# Altium PCB MainBoard.PcbDoc (part 2 of 2)
Units mil, origin at the board's own origin, x right, y up, seen from the top; angles counter-clockwise.
Board outline 2362.21 x 3044 mil, 4 copper layers (Top Layer, Mid-Layer 1, Mid-Layer 2, Bottom Layer), stack 62.204 mil thick; 73 components, 52 nets, 249 pads, 130 vias.
Unrouted connection lines stored in the file: 22.
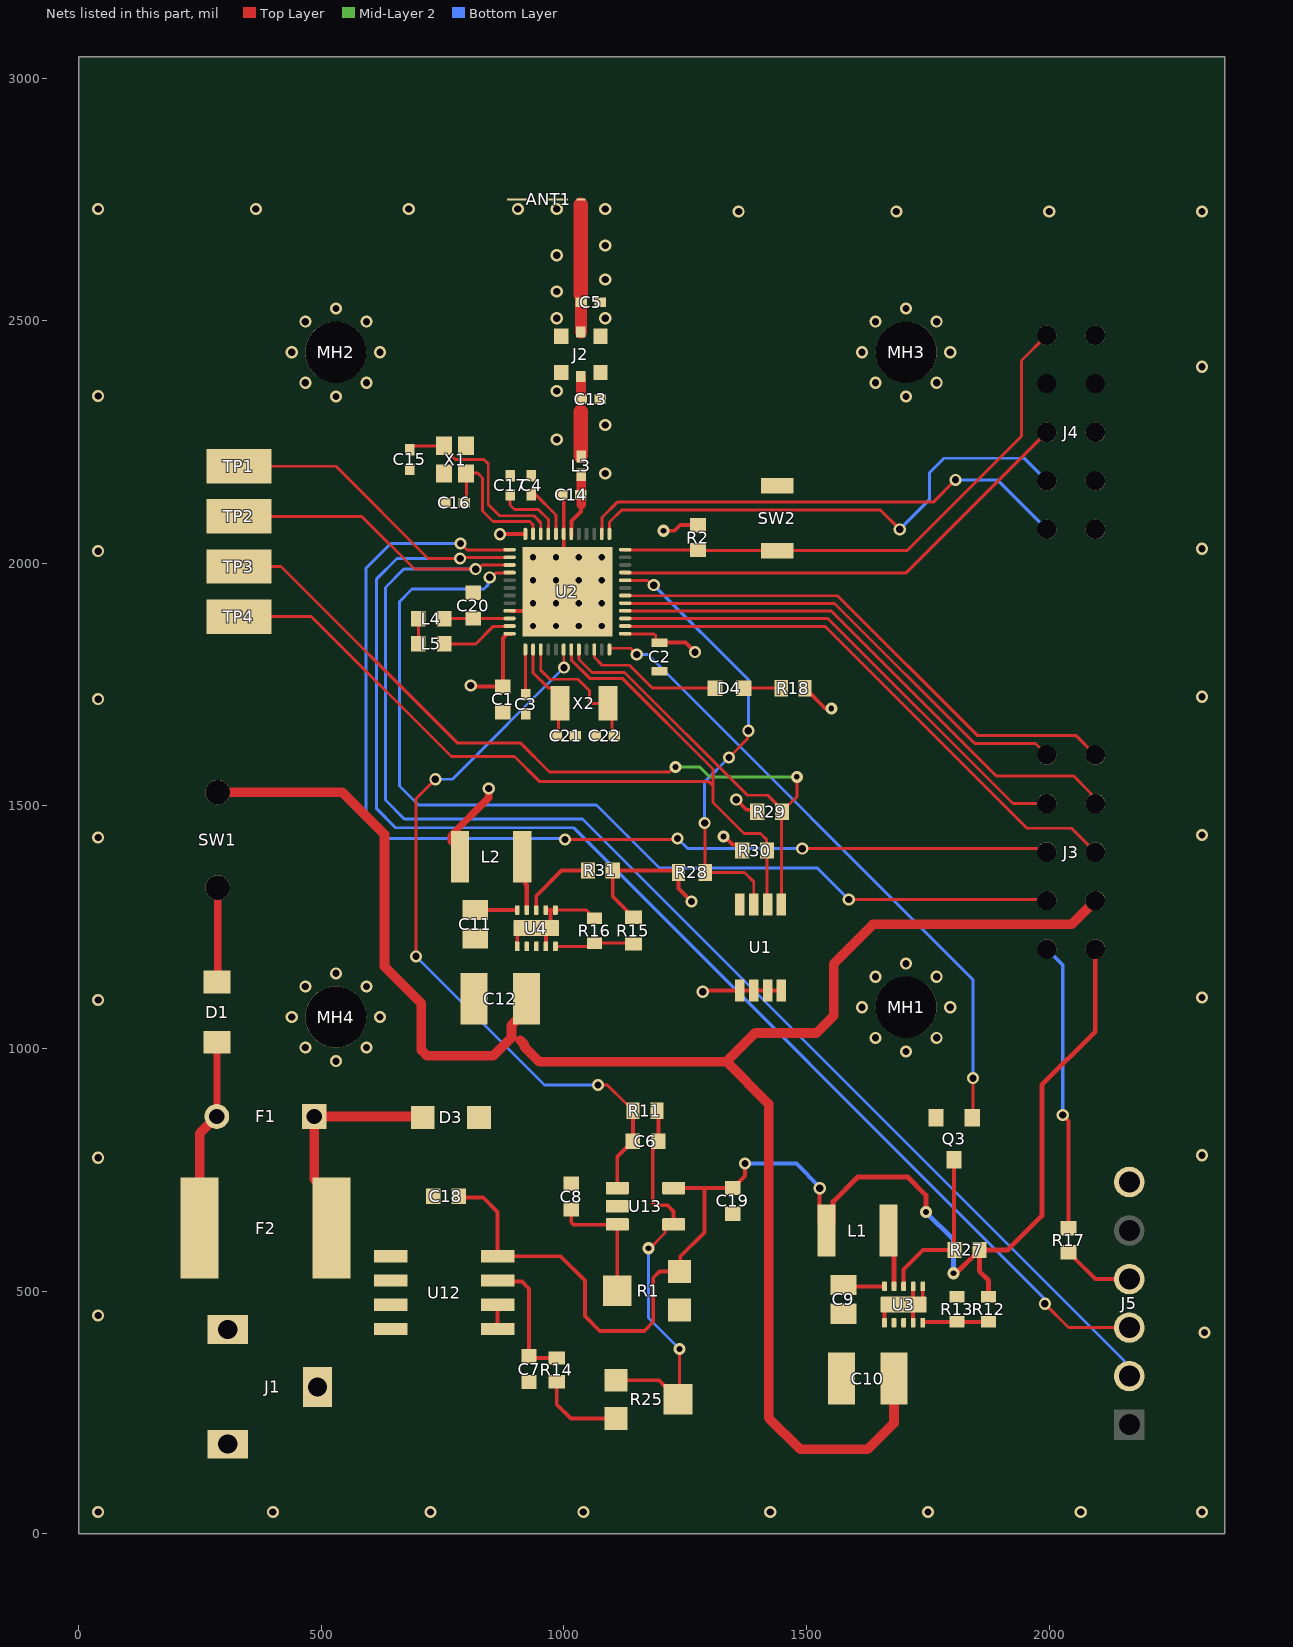
[diagram p4: the nets of this part, all layers, seen from the top]

## Part data (continued)
J3: "CONN HEADER VERT 10POS 2.54MM", Color=Black, Manufacturer="On-Shore Technology", Supplier Part Number 1=ED1543-ND, ComponentLink1Description=https://datasheet.ciiva.com/732/302-sxxx-732946.pdf?src-supplier=Digi-Key, ComponentLink1URL=https://datasheet.ciiva.com/732/302-sxxx-732946.pdf?src-supplier=Digi-Key, Connector Type="Male Pin", Contact Plating=Gold, Manufacturer Part Number=302-S101, Mount="Through Hole", Number of Positions=10, Number of Rows=2, Packaging=Tray, Pitch=0.1inch, Pricing 1="1=0.28000, 10=0.26300, 100=0.18380, 500=0.15750, 1000=0.13125, 5000=0.11250, 10000=0.10500 (USD)", RoHS=Yes, Row Spacing=0.1inch, Stock 1=44685, Supplier 1=Digi-Key, Termination=Solder
J4: library part "JTAG Header", Supplier part number=ED1543-ND
J5: library part CMP-1502-01070-1, "THT Vertical Pin Header WR-PHD, Pitch 2.54 mm, Single Row, 6 pins", Contact Resistance=20mOhm, Manufacturer="Wurth Elektronik", Operating Temperature=-40to105degC, Rated Current=3A, Withstanding Voltage=500VAC, Working Voltage=250VAC, Datasheet URL=https://katalog.we-online.de/em/datasheet/6130xx11121.pdf, Gender=Male, Manufacturer URL=http://www.we-online.de, Mounting Technology=THT, Orientation=Vertical, Package Reference=61300611121, Packaging=Bag, Part Number=61300611121, Pin Number=6, Pitch=2.54mm, Publisher=WurthElektronik, Row Number=Single
L1 L2: "TAIYO YUDEN - CBC3225T100MR - INDUCTOR, 10UH, 20%, 1210 CASE", Case/Package=1210, Case Code (Metric)=3225, Current Rating=900mA, DC Resistance (DCR)=172.9mR, Inductance=10uH, Inductance Tolerance=20%, Manufacturer="Taiyo Yuden", Max Operating Temperature=105°C, Min Operating Temperature=-40°C, Package Quantity=1000, Self Resonant Frequency=23MHz, Supplier Part Number 1=587-1625-1-ND, Test Frequency=100kHz, Case Code (Imperial)=1210, ComponentLink1Description=https://datasheet.ciiva.com/1040/cbc3225t100mr-ss-1040864.pdf?src-supplier=Digi-Key, ComponentLink1URL=https://datasheet.ciiva.com/1040/cbc3225t100mr-ss-1040864.pdf?src-supplier=Digi-Key, ComponentLink2Description=https://datasheet.ciiva.com/8001/1521599-8001889.pdf?src-supplier=Element14, ComponentLink2URL=https://datasheet.ciiva.com/8001/1521599-8001889.pdf?src-supplier=Element14, ComponentLink3Description=https://datasheet.ciiva.com/8001/1734578-8001891.pdf?src-supplier=Element14, ComponentLink3URL=https://datasheet.ciiva.com/8001/1734578-8001891.pdf?src-supplier=Element14, ComponentLink4Description=https://datasheet.ciiva.com/26871/getdatasheetpartid-638428-26871172.pdf?src-supplier=Verical, ComponentLink4URL=https://datasheet.ciiva.com/26871/getdatasheetpartid-638428-26871172.pdf?src-supplier=Verical, ComponentLink5Description=https://datasheet.ciiva.com/8498/cbc3225t100mr-ss-8498858.pdf?src-supplier=Avnet, ComponentLink5URL=https://datasheet.ciiva.com/8498/cbc3225t100mr-ss-8498858.pdf?src-supplier=Avnet, Composition=Wirewound, Core Material=Ferrite, DC Current=900mA, Depth=2.7mm, Halogen Free="Halogen Free", Height=2.5mm, Height - Seated (Max)=0.106inch, Lead Free="Lead Free", Length=3.4mm, Manufacturer Part Number=CBC3225T100MR, Max DC Current=900mA, Military Standard=Not, Mount="Surface Mount", Number of Pins=2, Packaging="Tape and Reel", Pricing 1="1=0.25000, 10=0.22200, 100=0.15280, 500=0.13054 (USD)", Radiation Hardening=No, REACH SVHC=Unknown, RoHS=Yes, Saturation Current=900mA, Shielding=Unshielded, Stock 1=39058, Supplier 1=Digi-Key, Termination=SMD/SMT, Tolerance=20%, Width=0.098inch
L3: "Inductor, 320mA, ±5%", 2nd source part number=658-1328, Case/Package=0402, Manufacturer="Taiyo Yuden", Manufacturer Part Number=HK100515NJ-T, Part Number=L0402-15n, Supplier part number=587-1521-1-ND, 2nd source Supplier=Farnell, Artikkelnr Noca=33029323, Artikkelnr Simpro=N.A., Datasheet=http://www.yuden.co.jp/productdata/catalog/en/mlci04_e.pdf, Footprint Doc=0402, LatestRevisionDate=2012-09-19, Note="High frequency chip inductor ±10%", Pin Count=2, Published=2010-07-12, Publisher="Nordic Semiconductor", Supplier=Digi-Key
L4 L5: "Inductor, 80mA, ±10%", 2nd source part number=178-6105, Case/Package=0603, Manufacturer="Taiyo Yuden", Manufacturer Part Number=LBMF1608T100K, Part Number=L0603-10µ, Supplier part number=587-1714-1-ND, 2nd source Supplier=Farnell, Artikkelnr Noca=33029314, Artikkelnr Simpro=N.A., Datasheet=http://www.yuden.co.jp/ut/product/pdf/elb2_e.pdf, Footprint Doc=0603, LatestRevisionDate=2012-09-19, Note="LBMF1608T100K 10µH 80mA 0603", Pin Count=2, Published=2010-02-24, Publisher="Nordic Semiconductor", Supplier=Digi-Key
Q3: "DIODES INC. - 2N7002K-7 - MOSFET, N CH, 60V, 0.3A, SOT-23", Case/Package=SOT-23, Continuous Drain Current (ID)=380mA, Drain to Source Breakdown Voltage=60V, Drain to Source Resistance=3R, Gate to Source Voltage (Vgs)=20V, Input Capacitance=50pF, Manufacturer=Diodes, Max Operating Temperature=150°C, Max Power Dissipation=540mW, Min Operating Temperature=-55°C, On-State Resistance=2R, Package Quantity=3000, Supplier Part Number 1=2N7002K-7DICT-ND, Threshold Voltage=1.6V, ComponentLink1Description=https://datasheet.ciiva.com/1254/ds30896-1254496.pdf?src-supplier=Newark, ComponentLink1URL=https://datasheet.ciiva.com/1254/ds30896-1254496.pdf?src-supplier=Newark, ComponentLink2Description=https://datasheet.ciiva.com/15137/getdatasheetpartid-75159-15137378.pdf?src-supplier=Verical, ComponentLink2URL=https://datasheet.ciiva.com/15137/getdatasheetpartid-75159-15137378.pdf?src-supplier=Verical, ComponentLink3Description=https://datasheet.ciiva.com/4444/ds30896-81375-4444887.pdf?src-supplier=Mouser, ComponentLink3URL=https://datasheet.ciiva.com/4444/ds30896-81375-4444887.pdf?src-supplier=Mouser, ComponentLink4Description=https://datasheet.ciiva.com/25624/0900766b81151e8c-25624936.pdf?src-supplier=RSComponents, ComponentLink4URL=https://datasheet.ciiva.com/25624/0900766b81151e8c-25624936.pdf?src-supplier=RSComponents, ComponentLink5Description=https://datasheet.ciiva.com/48532/ds30896-48532645.pdf?src-supplier=Avnet, ComponentLink5URL=https://datasheet.ciiva.com/48532/ds30896-48532645.pdf?src-supplier=Avnet, ComponentLink6Description=https://datasheet.ciiva.com/1188/ds30896-1188422.pdf?src-supplier=Element14, ComponentLink6URL=https://datasheet.ciiva.com/1188/ds30896-1188422.pdf?src-supplier=Element14, ComponentLink7Description=https://datasheet.ciiva.com/17323/ds30896-17323945.pdf?src-supplier=Avnet+Europe, ComponentLink7URL=https://datasheet.ciiva.com/17323/ds30896-17323945.pdf?src-supplier=Avnet+Europe, ComponentLink8Description=https://datasheet.ciiva.com/16200/ds30896-16200842.pdf?src-supplier=Future+Electronics, ComponentLink8URL=https://datasheet.ciiva.com/16200/ds30896-16200842.pdf?src-supplier=Future+Electronics, Drain to Source Voltage (Vdss)=60V, Element Configuration=Single, Fall Time=9.9ns, Height=1mm, Lead Free="Lead Free", Length=2.9mm, Manufacturer Part Number=2N7002K-7, Mount="Surface Mount", Nominal Vgs=1.6V, Number of Channels=1, Number of Elements=1, Number of Pins=3, Packaging="Tape and Reel", Power Dissipation=540mW, Pricing 1="1=0.21000, 10=0.17200, 100=0.09100, 500=0.05988, 1000=0.04072 (USD)", Radiation Hardening=No, Rds On Max=2R, REACH SVHC="No SVHC", Rise Time=3.4ns, RoHS=Yes, Stock 1=6355485, Supplier 1=Digi-Key, Turn-Off Delay Time=15.7ns, Turn-On Delay Time=3.9ns, Weight=0.000282oz, Width=1.3mm
R1 R25: library part CMP-2100-03695-1, "Trimming Potentiometer, 10000 Ohm, -40 to 100 degC, 3-Pin SMD, RoHS, Tape and Reel", Case/Package=SMD/SMT, Colour=Silver, Manufacturer=Bourns, Max Operating Temperature=100degC, Max Power Dissipation=100mW, Min Operating Temperature=-40degC, Package Description="3-Pin Surface Mount Device, Body 3.8 x 3.6 mm", Package Quantity=2500, Package Reference=TC33X-2, Resistance=10k, Temperature Coefficient=250ppm/degreesC, Tolerance=25%, Voltage Rating (DC)=50V, Composition=Potentiometer, Contact Plating=Silver, Datasheet URL=http://www.bourns.com/docs/Product-Datasheets/TC33.pdf, Datasheet Version=42583.0, Depth=3.8mm, Height=0.047inch, Lead Free=LeadFree, Length=3mm, Manufacturer URL=http://www.bourns.com/, Military Standard=Not, Mount=SurfaceMount, Number of Turns=1, Packaging=TapeandReel, Power Rating=100mW, Radiation Hardening=No, REACH SVHC=NoSVHC, RoHSCompliant=true, Taper=Linear, Termination=FootPrint, Weight=29.4mg, Width=0.118inch
R2 R27 R29 R30 R31: library part CMP-2000-07452-1, "Chip Resistor, 10 KOhm, +/- 1%, 0.1 W, -55 to 155 degC, 0603 (1608 Metric), RoHS, Tape and Reel", Case\/Package=0603, Case Code (Metric)=1608, Manufacturer=Panasonic, Max Operating Temperature=155degC, Max Power Dissipation=100mW, Min Operating Temperature=-55degC, Package Description="2-Pin Surface Mount Device, Body 1.6 x 0.85 mm", Package Quantity=1, Package Reference=603, Resistance=10k, Temperature Coefficient=100ppm\/degreesC, Tolerance=1%, Voltage Rating=75V, Case Code (Imperial)=0603, Composition=ThickFilm, Contact Plating=Tin, Datasheet URL=https://industrial.panasonic.com/cdbs/www-data/pdf/RDA0000/AOA0000C304.pdf, Datasheet Version=02/2017, Depth=0.8mm, Height=0.45mm, Lead Free=LeadFree, Length=1.6mm, Manufacturer URL=http://www.panasonic.com/, Military Standard=Not, Mount=SurfaceMount, Mounting Technology=SurfaceMount, Number of Pins=2, Number of Terminations=2, Packaging=TapeandReel, Power Rating=100mW, Radiation Hardening=No, REACH SVHC=NoSVHC, RoHSCompliant=true, Termination=SMD/SMT, Voltage Rating (DC)=75V, Width=0.031inch
R11: library part CMP-2000-00337-1, Manufacturer=Panasonic, Resistance=22k, Part Number=ERJ3EKF2202V
R12: library part CMP-2000-04136-1, Manufacturer=Yageo, Resistance=787k, Part Number=RC0603FR-07787KL
R13: library part CMP-1659-00044-1, "Chip Resistor, 150 KOhm, +/- 1%, 0.1 W, -55 to 155 degC, 0603 (1608 Metric), RoHS, Tape and Reel", Resistance=150k, ComponentLink1Description="Manufacturer URL", ComponentLink1URL=http://www.yageo.com/, ComponentLink2Description=Datasheet, ComponentLink2URL=http://www.yageo.com/documents/recent/PYu-RC_Group_51_RoHS_L_04.pdf, DatasheetVersion="Rev. 4, 02/2016", PackageDescription="2-Pin Surface Mount Device, Body 1.6 x 0.8 mm", PackageReference=0603
R14: library part CMP-2000-00703-1, Manufacturer=Panasonic, Resistance=1k, Part Number=ERJ-3GEYJ102V
R15: library part CMP-1012-00811-1, "464K 0.1W 1% 0603 (1608 Metric)  SMD", Case-EIA=0603, Case-Metric=1608, Power="0.1 W", Tolerance="1 %", Technology=SMT
R16: library part CMP-2000-06928-1, "Chip Resistor, 147 KOhm, +/- 1%, 0.1 W, -55 to 155 degC, 0603 (1608 Metric), RoHS, Tape and Reel", Manufacturer=Yageo, Operating Temperature=-55°C~155°C, Package / Case=0603(1608Metric), Package Description="2-Pin Surface Mount Device, Body 1.6 x 0.8 mm", Package Reference=0603, Power (Watts)=0.1W,1/10W, Resistance (Ohms)=147k, Standard Package=1, Temperature Coefficient=±100ppm/°C, Tolerance=±1%, Catalog Drawings=ThickFilmResistorSide, Category=Resistors, Composition=ThickFilm, Datasheet URL=http://www.yageo.com/documents/recent/PYu-RC_Group_51_RoHS_L_7.pdf, Datasheet Version="Rev. 7, 05/2017", EDA / CAD Models=DownloadfromAcceleratedDesigns, Family=ChipResistor-SurfaceMount, Features=MoistureResistant, Height="0.022\"(0.55mm)", HTML Datasheet=RCSeries,LSuffixDatasheet.html, Kits=PHH6-KIT-ND-RESKIT100K-1M1/10W5750PCS, Manufacturer URL=http://www.yageo.com/, Mounting Technology=SurfaceMount, Number of Terminations=2, Online Catalog=RC0603Series, Other Names=311-147KHRCT, Packaging=CutTape(CT), PCN Other=RC/AC0603/0805/120622/Jan/2013, Product Training Modules=ChipResistor, Series=RC, Size / Dimension="0.063\"Lx0.031\"W(1.60mmx0.80mm)", Supplier Device Package=0603
R17: library part CMP-2000-03816-1, Manufacturer="Vishay Dale", Part Number=CRCW06030000Z0EA
R18: library part CMP-2000-00746-1, Manufacturer=Panasonic, Package=0603, Part Number=ERJ-3GEYJ221V
R28: library part CMP-2100-03662-1, "Chip Resistor, 100 KOhm, +/- 1%, 0.1 W, -55 to 155 degC, 0603 (1608 Metric), RoHS, Tape and Reel", Case/Package=0603, Case Code (Metric)=1608, Manufacturer=Yageo, Max Operating Temperature=155degC, Min Operating Temperature=-55degC, Package Description="2-Pin Surface Mount Device, Body 1.6 x 0.8 mm", Power Rating=100mW, Resistance=100k, Temperature Coefficient=100ppm/degreesC, Tolerance=1%, Voltage Rating=50V, Case Code (Imperial)=0603, Composition=ThickFilm, Datasheet URL=http://www.yageo.com/NewPortal/yageodocoutput?fileName=/pdf/R-Chip/PYu-RC_Group_51_RoHS_L_5.pdf, Datasheet Version="Rev. 5, 10/2016", Depth=0.8mm, Height=0.45mm, Lead Free=LeadFree, Length=1.6mm, Manufacturer URL=http://www.yageo.com/, Military Standard=Not, Number of Pins=2, Package Reference=0603, Packaging=TapeandReel, REACH SVHC=NoSVHC, RoHSCompliant=true, Termination=SMD/SMT, Voltage Rating (DC)=50V, Width=0.8mm
SW1: "SWITCH TOGGLE SPST 6A 125V", Case/Package=125, Current Rating=4A, Manufacturer="NKK Switches", Max Operating Temperature=85°C, Min Operating Temperature=-30°C, Package Quantity=1, Supplier Part Number 1=360-3071-ND, Voltage Rating (AC)=125V, Voltage Rating (DC)=30V, Actuator Length=12.27mm, Actuator Material=Brass,Chrome, Actuator Type="Standard Round", ComponentLink1Description=https://datasheet.ciiva.com/13511/mtogglesbushing-31423-13511047.pdf?src-supplier=Mouser, ComponentLink1URL=https://datasheet.ciiva.com/13511/mtogglesbushing-31423-13511047.pdf?src-supplier=Mouser, ComponentLink2Description=https://datasheet.ciiva.com/29637/mtogglesbushing-29637848.pdf?src-supplier=Digi-Key, ComponentLink2URL=https://datasheet.ciiva.com/29637/mtogglesbushing-29637848.pdf?src-supplier=Digi-Key, Contact Plating=Silver, Electrical Life=25000Cycles, Illumination Type=LED,Non-Illuminated, Manufacturer Part Number=M2011SA1W01, Mount=Bushing,Panel, Packaging=Bulk, Pricing 1="1=4.66000, 10=4.46200, 25=4.26800, 50=4.07400, 100=3.68600, 250=3.39500, 500=3.10400, 1000=2.71600 (USD)", RoHS=Yes, Stock 1=220, Supplier 1=Digi-Key, Switch Function=On-Off, Termination=Solder, Throw Configuration=SPDT,SPST
SW2: library part CMP-2100-03586-1, "Ultra-Small Tactile Switch, 0.05 A, 12 V, -25 to 70 degC, 2-Pin SMD, RoHS, Tape and Reel", Case/Package=SMD/SMT, Contact Current Rating=50mA, Insulation Resistance=100MOhm, Manufacturer="Omron Electronic Components", Max Operating Temperature=70degC, Min Operating Temperature=-25degC, Operating Force=1.5N, Package Description="2-Pin Surface Mount Device, Body 3 x 2.5 mm", Package Quantity=1, Package Reference=B3U-1000, Voltage Rating (DC)=12V, Actuator Length=0.4mm, Contact Material=Silver, Current Rating=50mA, Datasheet URL=http://www.omron.com/ecb/products/pdf/en-b3u.pdf, Datasheet Version=42005.0, Depth=2.5mm, Electrical Life=200000Cycles, Height=1.2mm, Illumination Type=Illuminated, Lead Free=LeadFree, Length=4mm, Manufacturer URL=http://www.omron.com/, Max Current Rating=50mA, Mount=SurfaceMount, Orientation=Straight, Packaging=TapeandReel, REACH SVHC=Unknown, RoHSCompliant=true, Switch Travel=0.15mm, Termination=SMD/SMT, Throw Configuration=SPST, Weight=0.022g, Width=3mm
U1: library part LM75BDP,118, "NXP - LM75BDP,118 - DIGITAL TEMPERATURE SENSOR 11 BIT, +/-3C, TSSOP-8", Case/Package=SOT-505-1, Manufacturer="NXP Semiconductors", Max Operating Temperature=125°C, Max Output Current=10uA, Max Supply Voltage=5.5V, Min Operating Temperature=-55°C, Min Supply Voltage=2.8V, Nominal Supply Current=300uA, Operating Supply Current=100uA, Package Quantity=1, Supplier Part Number 1=568-4768-1-ND, ComponentLink1Description=https://datasheet.ciiva.com/2003/lm75b-2003248.pdf?src-supplier=Digi-Key, ComponentLink1URL=https://datasheet.ciiva.com/2003/lm75b-2003248.pdf?src-supplier=Digi-Key, ComponentLink2Description=https://datasheet.ciiva.com/31400/1794142-31400514.pdf?src-supplier=Farnell, ComponentLink2URL=https://datasheet.ciiva.com/31400/1794142-31400514.pdf?src-supplier=Farnell, ComponentLink3Description=https://datasheet.ciiva.com/15098/getdatasheetpartid-103235-15098203.pdf?src-supplier=Verical, ComponentLink3URL=https://datasheet.ciiva.com/15098/getdatasheetpartid-103235-15098203.pdf?src-supplier=Verical, ComponentLink4Description=https://datasheet.ciiva.com/26886/lm75bdp-118-26886999.pdf?src-supplier=IIIC, ComponentLink4URL=https://datasheet.ciiva.com/26886/lm75bdp-118-26886999.pdf?src-supplier=IIIC, ComponentLink5Description=https://datasheet.ciiva.com/3277/lm75b-3277944.pdf?src-supplier=Avnet, ComponentLink5URL=https://datasheet.ciiva.com/3277/lm75b-3277944.pdf?src-supplier=Avnet, ComponentLink6Description=https://datasheet.ciiva.com/46390/1859456-46390812.pdf?src-supplier=Element14, ComponentLink6URL=https://datasheet.ciiva.com/46390/1859456-46390812.pdf?src-supplier=Element14, ComponentLink7Description=https://datasheet.ciiva.com/2003/lm75b-2003246.pdf?src-supplier=Digi-Key, ComponentLink7URL=https://datasheet.ciiva.com/2003/lm75b-2003246.pdf?src-supplier=Digi-Key, ComponentLink8Description=https://datasheet.ciiva.com/2003/lm75b-2003247.pdf?src-supplier=Digi-Key, ComponentLink8URL=https://datasheet.ciiva.com/2003/lm75b-2003247.pdf?src-supplier=Digi-Key, ComponentLink9Description=https://datasheet.ciiva.com/3279/lm75b-3279199.pdf?src-supplier=Avnet, ComponentLink9URL=https://datasheet.ciiva.com/3279/lm75b-3279199.pdf?src-supplier=Avnet, Interface=I2C,SMBus,2-Wire,Serial, Lead Free="Lead Free", Manufacturer Part Number=LM75BDP,118, Max Supply Voltage (DC)=5.5V, Min Supply Voltage (DC)=2.8V, Number of Bits=11, Number of Pins=8, Output Type=I2C,Digital, Packaging="Tape and Reel", Pricing 1="1=0.76000, 5=0.72400, 10=0.63100, 25=0.55400, 50=0.46040, 100=0.39220, 500=0.34100, 1000=0.29838 (USD)", Radiation Hardening=No, REACH SVHC="No SVHC", Resolution=11b, RoHS=Yes, Stock 1=36058, Supplier 1=Digi-Key
U2: library part CMP-2100-03661-1, "Multiprotocol Bluetooth Smart, ANT/ANT+ and Proprietary System-on-Chip, 2.4 GHz, 256 KB FLASH, 1.7 to 3.6 V, -40 to 85 degC, 48-Pin QFN, RoHS, Tape and Reel", Case/Package=48-QFN, Frequency=2.4GHz, Manufacturer="Nordic Semiconductor", Max Operating Temperature=85degC, Min Operating Temperature=-40degC, Package Description="48-Pin Quad Flat No-lead Package, Body 6 x 6 mm, Pitch 0.4 mm, Thermal Pad 4.6 x 4.6 mm", Package Reference=QF-48, Datasheet URL=http://infocenter.nordicsemi.com/pdf/nRF52832_PS_v1.0.pdf, Datasheet Version="Rev. 1.0, 02/2016", Lead Free=LeadFree, Manufacturer URL=http://www.nordicsemi.com/eng/Products/, Max Frequency=2.4GHz, Mount=SurfaceMount, Packaging=TapeandReel, RoHSCompliant=true
U3 U4: library part TPS62175DQCR, "Conv DC-DC 4.75V to 28V Synchronous Step Down Single-Out 1V to 6V 0.5A 10-Pin WSON EP T/R", Case/Package="10-WFDFN Exposed Pad", Manufacturer="Texas Instruments", Max Input Voltage=28V, Max Operating Temperature=85°C, Max Output Current=500mA, Max Output Voltage=6V, Min Input Voltage=4.75V, Min Operating Temperature=-40°C, Min Output Voltage=1V, Package Quantity=3000, Quiescent Current=4.8uA, Supplier Part Number 1=296-39451-1-ND, Switching Frequency=1MHz, ComponentLink1Description=https://datasheet.ciiva.com/12225/slvsb35-213427-12225761.pdf?src-supplier=Mouser, ComponentLink1URL=https://datasheet.ciiva.com/12225/slvsb35-213427-12225761.pdf?src-supplier=Mouser, ComponentLink2Description=https://datasheet.ciiva.com/15082/tps62175-15082069.pdf?src-supplier=Digi-Key, ComponentLink2URL=https://datasheet.ciiva.com/15082/tps62175-15082069.pdf?src-supplier=Digi-Key, ComponentLink3Description=https://datasheet.ciiva.com/46636/tps62175-46636152.pdf?src-supplier=Digi-Key, ComponentLink3URL=https://datasheet.ciiva.com/46636/tps62175-46636152.pdf?src-supplier=Digi-Key, Contact Plating=Gold, Height=0.75mm, Lead Free="Lead Free", Length=3.1mm, Manufacturer Part Number=TPS62175DQCR, Min Supply Voltage=4.75V, Mount="Surface Mount", Number of Outputs=1, Number of Pins=10, Output Configuration=Positive, Output Current=500mA, Output Type=Adjustable, Output Voltage=6V, Packaging="Tape and Reel", Pricing 1="1=1.65000, 10=1.47100, 100=1.14660, 500=0.94718, 1000=0.74778 (USD)", REACH SVHC="No SVHC", RoHS=Yes, Stock 1=62436, Supplier 1=Digi-Key, Synchronous Rectifier=Yes, Topology=Buck-Boost, Width=2.1mm
U12: library part ACS723LLCTR-20AU-T, "SENSOR CURRENT HALL 20A DC", Case/Package=SOIC, Current Sensing=20A, Frequency=80kHz, Manufacturer="Allegro MicroSystems", Max Operating Temperature=150°C, Max Supply Current=14mA, Min Operating Temperature=-40°C, Supplier Part Number 1=620-1645-1-ND, Accuracy=3%, ComponentLink1Description=http://www.allegromicro.com/~/media/Files/Datasheets/ACS723-Datasheet.ashx?src-supplier=Digi-Key, ComponentLink1URL=http://www.allegromicro.com/~/media/Files/Datasheets/ACS723-Datasheet.ashx?src-supplier=Digi-Key, ComponentLink2Description=https://www.allegromicro.com/~/media/Files/Datasheets/ACS723-Datasheet.ashx?src-supplier=Digi-Key, ComponentLink2URL=https://www.allegromicro.com/~/media/Files/Datasheets/ACS723-Datasheet.ashx?src-supplier=Digi-Key, Linearity=1%, Manufacturer Part Number=ACS723LLCTR-20AU-T, Mount="Surface Mount", Number of Channels=1, Number of Pins=8, Packaging="Tape and Reel", Polarity=Unidirectional, Pricing 1="1=5.27000, 5=4.65400, 10=4.11000, 25=3.33480, 50=2.94700, 100=2.86940, 500=2.40406, 1000=2.24895 (USD)", Response Time=5us, RoHS=Yes, Sensitivity=200mV/A, Stock 1=17890, Supplier 1=Digi-Key
U13: library part CMP-0272-00881-3, "Low Power, Single-Supply, Rail-to-Rail Operational Amplifier MicroAmplifier(TM) Series, 2.5 to 5.5 V, -55 to 125 degC, 5-pin SOT23 (DBV5), Green (RoHS & no Sb/Br)", Manufacturer="Texas Instruments", PartNumber=OPA344NA/3K, Total Supply Voltage(Max)(+5V is 5, +/-5V is 10)=5.5, Total Supply Voltage(Min)(+5V is 5, +/-5V is 10)=2.5, CMRR(Min)(dB)=76, Code_JEDEC=MO-178, ComponentLink1Description="Manufacturer URL", ComponentLink1URL=http://www.ti.com/, ComponentLink2Description=Datasheet, ComponentLink2URL=http://www.ti.com/general/docs/lit/getliterature.tsp?genericPartNumber=OPA344&fileType=pdf, ComponentLink3Description="Package Specification", ComponentLink3URL=http://www.ti.com/litv/pdf/mpds018i, DatasheetVersion=SBOS107A, Eco-Plan="Green (RoHS & no Sb/Br)", IIB(Max)(pA)=10, Iq per channel(Max)(mA)=0.25, Mounting Technology="Surface Mount", Number of Channels=1, Offset Drift(Typ)(uV/C)=3, PackageDescription="5-Pin Plastic Small Outline, Body 1.6 x 2.9 mm, Pitch 0.95 mm", PackageReference=DBV0005A, PackageVersion="4073253-4/K, 03/2006", Slew Rate(Typ)(V/us)=0.8, Sub Family="Low Input Bias Current Amp (<=10pA), Low Power Amp (<=500uA), Low Supply Voltage Amplifier (<=2.7V), Precision Amplifier", Vio (25C)(Max)(mV)=1
X1: library part FA-12832.0000MF20X-K5, "CRYSTAL 32MHZ 10PF SMD", Case/Package=SMD/SMT, ESR (Equivalent Series Resistance)=60R, Frequency Stability=20ppm, Frequency Tolerance=10ppm, Load Capacitance=10pF, Manufacturer=Epson, Max Operating Temperature=85°C, Min Operating Temperature=-40°C, Supplier Part Number 1=SER4079CT-ND, ComponentLink1Description=https://support.epson.biz/td/api/doc_check.php?dl=brief_FA-128_en.pdf&src-supplier=Digi-Key, ComponentLink1URL=https://support.epson.biz/td/api/doc_check.php?dl=brief_FA-128_en.pdf&src-supplier=Digi-Key, ComponentLink2Description=https://www5.epsondevice.com/en/information/support/pdf/june_2018_psc_masterbook.pdf?src-supplier=Digi-Key, ComponentLink2URL=https://www5.epsondevice.com/en/information/support/pdf/june_2018_psc_masterbook.pdf?src-supplier=Digi-Key, Frequency=32MHz, Height=0.02inch, Length=0.079inch, Manufacturer Part Number=FA-12832.0000MF20X-K5, Mount="Surface Mount", Packaging="Tape and Reel", Pricing 1="1=0.59000, 10=0.49500, 50=0.44560, 100=0.39600, 500=0.37620, 1000=0.31680 (USD)", RoHS=Yes, Stock 1=94007, Supplier 1=Digi-Key, Width=0.063inch
X2: library part CMP-2000-07587-1, "Tuning Fork Crystal, 32.768 KHz, +/- 20 ppm, -40 to 85 degC, 2-Pin SMD, RoHS, Tape and Reel", Case\/Package=SMD/SMT, ESR (Equivalent Series Resistance)=55KOhm, Frequency=32.768KHz, Frequency Tolerance=20ppm, Load Capacitance=6pF, Manufacturer=Abracon, Max Operating Temperature=85degC, Min Operating Temperature=-40degC, Package Description="2-Pin Surface Mount Device, Body 3.2 x 1.5 mm", Package Quantity=3000, Package Reference=ABS07, Series Resistance=60KOhm, Datasheet URL=http://www.abracon.com/Resonators/ABS07-120-32.768kHz-T.pdf, Datasheet Version=11/2014, Depth=1.5mm, Height=0.035inch, Lead Free=LeadFree, Length=3.2mm, Manufacturer URL=http://www.abracon.com/, Mount=SurfaceMount, Mounting Technology=SurfaceMount, Number of Pins=2, Packaging=TapeandReel, Radiation Hardening=No, REACH SVHC=NoSVHC, RoHSCompliant=True, Termination=SMD/SMT, Tolerance=20ppm, Width=0.061inch

## Via types
v1: diameter 25, hole 15, Top Layer to Bottom Layer, tented both sides, 63 vias
v2: diameter 25, hole 15, Top Layer to Bottom Layer, 42 vias
v3: diameter 25.98, hole 12.99, Top Layer to Bottom Layer, tented both sides, 16 vias
v4: diameter 25, hole 11.81, Top Layer to Bottom Layer, tented both sides, 9 vias

## Nets (pads, with @x,y where several pads share a name; then routed paths per layer and width w, separated by ;. In a path a pad name is that pad's centre, name@x,y a point inside that pad or via, vN(x,y) a via of type N, cw(c..) or ccw(c..) an arc to the next point about the centre after c; other vN are vias at no path point)
3V3: C1.2 C2.2 C11.2 J3.2 J4.1 L2.2 R2.2 R15.2 R17.2 R18.2 R28.2 R29.2 R30.2 R31.2 U1.5 U1.6 U1.7 U1.8 U2.13 U2.36 U2.48 U4.10 | length 1977.6
  Top Layer w6: U2.13@1123.49,1854.43 1185.57,1854.43 1189.13,1850.87 1189.13,1842.39 1194.99,1836.53 C2.2@1197,1836.53
  Top Layer w8: v1(808,1748) 810,1746 C1.2@874,1746 874,1845.78 882.65,1854.43 U2.48@891.2,1854.43 ; C11.2@817,1285.53 817.13,1285.4 U4.10@903.63,1285.4 ; v1(868,2060) 868.58,2060.58 U2.36@920.53,2060.58 ; R15.2@1143,1270.56 1139.06,1270.56 1129.28,1280.34 1129.28,1284.28 1100.59,1312.97 R31.2@1100.59,1367 1231.91,1367 R28.2@1235.91,1363 1235.91,1330.09 v1(1263,1303) v1@1254.4,1303 ; C2.2@1197,1836.53 1250.47,1836.53 v1(1270,1817) ; v4(1205,2067) 1228,2067 1239.59,2078.59 R2.2@1276,2078.59 ; v1(1286,1117) 1288.89,1119.89 U1.5@1362.51,1119.89 U1.6@1391.05,1119.89 U1.7@1419.59,1119.89 U1.8@1448.14,1119.89 ; v4(1329,1437) 1331,1437 1347.47,1420.53 1356.65,1420.53 1367.41,1409.76 R30.2@1367.41,1408 ; v1(1355,1513) 1375.92,1492.08 1393.92,1492.08 R29.2@1398,1488 ; R18.2@1496.76,1742.69 1538.45,1701 v4(1551,1701) ; v1(2028,863) 2040,851 R17.2@2040,629.61
  Top Layer w15: 767,1427 767,1439 845,1517 v1(845,1535.86)
  Bottom Layer w8: J3.2@1995,1205 2028,1172 v1(2028,863)
5V: C9.2 C18.2 C19.2 J3.1 L1.2 R1.3 R12.2 R27.2 U3.10 U12.8 U13.5 | length 2914.7
  Top Layer w8: C18.2@783.46,695.87 786.42,692.91 833.66,692.91 863.24,663.34 U12.8@863.24,572 992.96,572 1043.31,521.65 1043.31,448.82 1073.82,418.31 1165.35,418.31 1184.06,437.01 1184.06,527.56 1196.87,540.37 R1.3@1237.87,540.37 1239.61,542.12 1239.61,571.31 1289.37,621.06 1289.37,711.42 1290.35,712.4 ; U13.5@1226.07,712.4 1290.35,712.4 ; v1(1373,763) 1373,737.57 1359.75,724.32 1359.75,723.34 1348.98,712.57 C19.2@1348,712.57 1347.83,712.4 1290.35,712.4 ; v1(1527,712) 1527,639.02 L1.2@1541.02,625 ; C9.2@1576,512.53 1578.72,509.8 U3.10@1660.63,509.8
  Top Layer w10: L1.2@1541.02,625 1554.54,638.52 1554.54,684.54 1605,735 1709,735 1746,698 v4(1746,663) ; v4(1803,537) 1805.87,539.87 1811.05,539.87 1844.45,573.27 1846.42,573.27 R27.2@1856,582.85 ; R12.2@1875,488.03 1875,522 1856,541 R27.2@1856,582.85 ; J3.1@2110,1204 2095,1189 2095,1035 1985,925 1985,655 1915,585 R27.2@1856.18,585 1856.18,583.03 R27.2@1856,582.85
  Bottom Layer w8: v1(1373,763) 1479,763 1527,715 v1(1527,712)
  Bottom Layer w10: v4(1746,663) 1803,606 v4(1803,537)
\R\E\S\E\T\: J4.10 R2.1 SW2.2 U2.24 | length 1147.4
  Top Layer w6: U2.24@1123.49,2027.65 1275.76,2027.65 R2.1@1276,2027.41 1277.34,2026.07 SW2.2@1440,2026.07 1707.07,2026.07 1943,2262 1943,2418 J4.10@1995,2470
ANT: ANT1.1 C5.2 J2.3 | length 262.6
  Top Layer w20: 1035,2554 1035,2538.12 1035.16,2537.96 C5.2@1035.45,2537.96
  Top Layer w25: J2.3@1035,2476.28 C5.2@1035,2537.51
  Top Layer w30: 1035,2554 1035,2739
DEC4: C20.1 L4.1 U2.46 | length 138.6
  Top Layer w6: L4.1@753,1886 753.43,1886.43 C20.1@813,1886.43 813.5,1885.92 U2.46@891.2,1885.92
GND: ANT1.2 ANT1.3 C1.1 C2.1 C3.2 C4.2 C5.1 C7.1 C8.1 C9.1 C10.1 C11.1 C12.1 C13.1 C14.1 C15.2 C16.2 C17.2 C18.1 C19.1 C20.2 C21.1 C22.1 D3.2 J1.2 J1.3 J2.2 J4.3 J4.5 J4.9 J5.6 MH1.1 MH2.1 MH3.1 MH4.1 Q3.2 R1.1 R13.1 R16.1 SW2.1 U1.4 U2.31 U2.45 U2.49 U3.1 U3.4 U3.6 U3.7 U3.11 U4.1 U4.4 U4.6 U4.7 U12.5 U12.6 U13.2 X1.2 X1.4 | length 785
  Top Layer w6: U4.6@982.37,1285.4 1046.19,1285.4 1050.25,1281.34 1050.25,1277.4 1059.06,1268.59 R16.1@1063,1268.59
  Top Layer w8: U12.5@863.24,422 U12.6@863.24,472 ; U2.45@891.2,1901.67 967.98,1901.67 1007.35,1941.04 999.47,1948.91 999.47,2137.04 C14.1@995.28,2141.24 ; U4.1@903.63,1210.6 903.63,1231.63 U4.1@920,1248 ; U4.4@962.69,1210.6 962.69,1248.69 972.53,1258.53 972.53,1285.4 ; U4.7@962.69,1285.4 972.53,1285.4 ; U4.6@982.37,1285.4 972.53,1285.4 ; U3.1@1660.63,435 1660.63,464.63 U3.11@1668,472 ; U3.4@1719.69,435 1719.69,459.69 U3.11@1734,474 ; U3.7@1719.69,509.8 1719.69,488.31 U3.11@1734,474 ; U3.6@1739.37,509.8 1739.37,479.37 U3.11@1734,474
  other v1: 530,974 1705,994 467,1002 593,1002 1642,1022 1768,1022 439,1065 621,1065 1614,1085 1796,1085 467,1128 593,1128 1642,1148 1768,1148 530,1155 1705,1175 530,2344 1705,2344 467,2372 593,2372 1642,2372 1768,2372 439,2435 621,2435 1614,2435 1796,2435 467,2498 593,2498 1642,2498 1768,2498 530,2525 1705,2525
  other v2: 40,45 400,45 725,45 1040,45 1425,45 1750,45 2065,45 2315,45 2320,415 40,450 40,775 2315,780 40,1100 2315,1105 40,1435 2315,1440 40,1720 2315,1725 40,2025 2315,2030 1085,2185 985,2255 1085,2285 40,2345 985,2355 2315,2405 985,2505 1085,2505 985,2560 1085,2585 985,2635 1085,2655 1360,2725 1685,2725 2000,2725 2315,2725 40,2730 365,2730 680,2730 905,2730 985,2730 1085,2730
  other v3: 936.27,1870.62 983.52,1870.62 1030.76,1870.62 1078.01,1870.62 936.27,1917.87 983.52,1917.87 1030.76,1917.87 1078.01,1917.87 936.27,1965.11 983.52,1965.11 1030.76,1965.11 1078.01,1965.11 936.27,2012.35 983.52,2012.35 1030.76,2012.35 1078.01,2012.35
IP+: D3.1 F1.1 F2.1 U12.1 U12.2 | length 469
  Top Layer w20: F2.1@520.83,630 520.83,694.96 485.39,730.39 F1.1@485.39,860 706.93,860 D3.1@708.93,858
IP-: J1.1 U12.3 U12.4 | length 0.1
  Top Layer w20: U12.4@642.67,421.91 U12.4@642.76,422
LED: D4.2 U2.10 | length 293.5
  Top Layer w6: U2.10@1062.46,1824.9 1062.82,1824.54 1062.82,1806.18 1079,1790 1135,1790 1182,1743 1310.86,1743 D4.2@1311.17,1742.69
NetC3_1: C3.1 U2.1 | length 96
  Top Layer w6: U2.1@920.73,1824.9 921,1824.63 C3.1@921,1729
NetC4_1: C4.1 U2.32 | length 111.2
  Top Layer w6: C4.1@932.35,2142.14 940.86,2142.14 983.37,2099.63 983.37,2057.54 U2.32@983.72,2057.18
NetC6_1: C6.1 R11.1 R25.1 R25.2 U13.4 | length 834.8
  Top Layer w6: v4(1174.21,588.58) 1177.05,588.58 1208.06,619.59 1208.06,627.8 1217.86,637.6 U13.4@1226.07,637.6 ; R25.2@1235.09,277 1238.19,280.1 v4(1238.19,380.91)
  Top Layer w8: R25.1@1107.13,316.37 1195.72,316.37 1207.59,304.5 1209.56,304.5 1235.09,278.97 R25.2@1235.09,277 ; R11.1@1191.61,872 1194.57,869.03 C6.1@1194.57,809 1183.81,798.24 1183.81,793.38 1183,792.57 1183,681.69 1187.69,677 1213,677 1226.07,663.93 U13.4@1226.07,637.6
  Bottom Layer w6: v4(1174.21,588.58) 1174.21,444.88 v4(1238.19,380.91)
NetC6_2: C6.2 R11.2 U2.6 U13.1 | length 1536.4
  Top Layer w6: v1(695,1190) 695,1515 v1(735,1555) ; U2.6@999.47,1824.9 999.47,1785.53 v1(1000,1785) ; v1(1070,925) 1089.39,925 1128.66,885.73 1131.61,885.73 1142.39,874.95 R11.2@1142.39,872
  Top Layer w8: U13.1@1109.93,712.4 1109.93,777.5 1129.68,797.25 1130.66,797.25 1141.43,808.02 C6.2@1141.43,809 1142.39,809.97 R11.2@1142.39,872
  Bottom Layer w6: v1(695,1190) 960,925 v1(1070,925) ; v1(735,1555) 770,1555 v1(1000,1785)
NetC7_2: C7.2 R14.1 U12.7 | length 269.5
  Top Layer w8: U12.7@863.24,522 865.55,519.68 913.39,519.68 928.15,504.92 C7.2@928.15,366.14 932.09,362.2 R14.1@985.24,362.2
NetC8_2: C8.2 R1.2 U13.3 | length 259.1
  Top Layer w8: C8.2@1015,668.43 1015,642 1020,637 1109.33,637 1109.91,636.42 R1.2@1109.91,501
NetC14_2: C14.2 L3.1 U2.30 | length 133.9
  Top Layer w8: U2.30@1015.22,2057.18 1015.22,2087.22 1035,2107 1035,2120.65 1035.35,2121
  Top Layer w20: 1035.35,2121 L3.1@1035.35,2182.7
NetC15_1: C15.1 U2.34 X1.1 | length 419
  Top Layer w6: C15.1@682,2233.68 682,2235.28 688.84,2242.13 X1.1@752.95,2242.13 766.68,2228.39 766.68,2223.32 776,2214 835,2214 844,2205 844,2121 867,2098 938,2098 952.23,2083.77 U2.34@952.23,2057.18
NetC16_1: C16.1 U2.35 X1.3 | length 305.6
  Top Layer w6: C16.1@799,2125 799,2185.09 798.24,2185.85 822.15,2185.85 832,2176 832,2156.91 832,2108 854,2086 930,2086 936.48,2079.52 U2.35@936.48,2057.18
NetC17_1: C17.1 U2.33 | length 145.6
  Top Layer w6: C17.1@889,2141.32 889,2120 898,2111 947,2111 967.98,2090.02 U2.33@967.98,2057.18
NetD1_1: D1.1 SW1.2 | length 195.8
  Top Layer w15: D1.1@285,1137.01 286.5,1138.51 SW1.2@286.5,1331.5 SW1.2@286,1331
NetD1_2: D1.2 F1.2 F2.2 | length 397.8
  Top Layer w15: F1.2@284.61,860 285,860.39 D1.2@285,1012.99
  Top Layer w20: F2.2@249.17,630 249.17,824.57 F1.2@284.61,860
NetD4_1: D4.1 R18.1 | length 77.3
  Top Layer w6: D4.1@1370.22,1742.69 R18.1@1447.54,1742.69
NetJ3_4: J3.4 U2.40 | length 2073.6
  Top Layer w6: v1(847,1971) 850.61,1971 860.01,1980.41 U2.40@891.2,1980.41 ; v1(1587,1307) 1993,1307 J3.4@1995,1305
  Bottom Layer w6: v1(847,1971) 843.8,1967.8 843.8,1955.8 835,1947 687,1947 661,1921 661,1541 700,1502 1067,1502 1197,1372 1522,1372 v1(1587,1307)
NetJ3_5: J3.5 U2.14 | length 1164.2
  Top Layer w6: U2.14@1123.49,1870.17 1537.83,1870.17 1954,1454 2046,1454 J3.5@2095,1405
NetJ3_6: J3.6 U2.37 | length 2276
  Top Layer w6: v1(787,2041) 800.35,2027.65 U2.37@891.2,2027.65 ; v1(1002,1431) 1232,1431 v1(1234,1433) ; v1(1491,1412) 1974.41,1412 1974.87,1411.54 1988.46,1411.54 J3.6@1995,1405
  Bottom Layer w6: v1(787,2041) 643.18,2041 592.09,1989.91 592.09,1472.09 631.09,1433.09 998.09,1433.09 1000.18,1431 v1(1002,1431) ; v1(1234,1433) 1255,1412 v1(1491,1412)
NetJ3_7: J3.7 U2.16 | length 1142.8
  Top Layer w6: U2.16@1123.49,1901.67 1550.87,1901.67 1890.54,1562 2050,1562 2086.44,1525.56 2086.44,1522.8 2095,1514.24 J3.7@2095,1505
NetJ3_8: J3.8 U2.15 | length 1029.3
  Top Layer w6: U2.15@1123.49,1885.92 1544.35,1885.92 1925.27,1505 J3.8@1995,1505
NetJ3_9: J3.9 U2.18 | length 1107.4
  Top Layer w6: U2.18@1123.49,1933.17 1563.92,1933.17 1851.58,1645.5 2054.5,1645.5 J3.9@2095,1605
NetJ3_10: J3.10 U2.17 | length 1000.9
  Top Layer w6: U2.17@1123.49,1917.42 1557.4,1917.42 1846.41,1628.41 1971.59,1628.41 J3.10@1995,1605
NetJ5_4: J5.4 R17.1 | length 149.1
  Top Layer w8: R17.1@2040,580.39 2041.97,580.39 2052.73,569.63 2052.73,567.66 2095.39,525 J5.4@2165,525
NetL1_1: L1.1 U3.9 | length 119.9
  Top Layer w10: L1.1@1668.98,625 1680.32,613.66 U3.9@1680.32,509.8
NetL2_1: L2.1 U4.9 | length 55.6
  Top Layer w10: 921,1340 923.32,1337.68 U4.9@923.32,1285.4
NetL4_2: L4.2 L5.1 | length 52
  Top Layer w6: L5.1@699.85,1834 L4.2@699.85,1886
NetL5_2: L5.2 U2.47 | length 153.2
  Top Layer w6: L5.2@753,1834 818,1834 854.17,1870.17 U2.47@891.2,1870.17
NetQ3_1: Q3.1 U2.12 | length 1317.3
  Top Layer w6: U2.12@1093.96,1824.9 1137.1,1824.9 v1(1150,1812) ; Q3.1@1841.4,857.31 1843,858.91 v1(1843,939)
  Bottom Layer w6: v1(1150,1812) 1173,1812 1843,1142 v1(1843,939)
NetQ3_3: Q3.3 R27.1 U3.8 | length 342.9
  Top Layer w8: U3.8@1700,509.8 1700,545 1740,585 R27.1@1805,585 1804,586 Q3.3@1804,770.69
NetR12_1: R12.1 R13.2 U3.5 | length 136.9
  Top Layer w8: U3.5@1739.37,435 1739.37,435.93 1740.29,436.85 R13.2@1810,436.85 R12.1@1875,436.85
NetR14_2: R14.2 R25.3 | length 180.2
  Top Layer w8: R14.2@985.24,312.99 985.24,266.73 1014.34,237.63 R25.3@1107.13,237.63
NetR15_1: R15.1 R16.2 U4.5 | length 164.3
  Top Layer w6: U4.5@982.37,1210.6 1056.19,1210.6 R16.2@1063,1217.41 1141.03,1217.41 R15.1@1143,1215.44
NetR31_1: R31.1 U4.8 | length 157.5
  Top Layer w8: U4.8@943,1285.4 943,1315 995,1367 R31.1@1049.41,1367
OS: R28.1 U1.3 U2.20 | length 930.8
  Top Layer w6: U2.20@1123.49,1964.66 1171.99,1964.66 1181.65,1955 v1(1185,1955) ; v1(1290,1465) 1291.03,1463.97 R28.1@1291.03,1363 1372,1363 1391.05,1343.95 U1.3@1391.05,1297.06 ; v1(1340,1600) 1378.3,1638.3 1378.3,1653.3 v1(1380,1655)
  Bottom Layer w6: v1(1185,1955) 1380,1760 v1(1380,1655) ; v1(1290,1465) 1290,1550 v1(1340,1600)
P00: C21.2 U2.2 X2.1 | length 208.9
  Top Layer w6: U2.2@936.48,1824.9 936.48,1774.52 967.58,1743.42 975.31,1743.42 992,1726.74 X2.1@992,1712 988.5,1708.5 C21.2@988.5,1645
P01: C22.2 U2.3 X2.2 | length 294
  Top Layer w6: U2.3@952.23,1824.9 952.23,1779.77 971,1761 1029,1761 1053,1737 1053,1714.51 1056.51,1711 1089.43,1711 1099.21,1701.21 C22.2@1099.21,1645
RF: C13.2 J2.1 L3.2 | length 159.8
  Top Layer w15: 1035,2312 C13.2@1035,2338
  Top Layer w20: C13.2@1035,2341 1035,2362.87 J2.1@1035,2384.94
  Top Layer w30: L3.2@1035,2222.1 1035,2312
RXI: J5.2 TP2.1 U2.39 | length 3286.3
  Top Layer w6: TP2.1@330,2096.67 583.33,2096.67 692,1988 v1(818,1988) 822.86,1988 831.01,1996.16 U2.39@891.2,1996.16
  Bottom Layer w6: v1(818,1988) 670.02,1988 632.01,1949.99 632.01,1512.01 671.01,1473.01 1038.01,1473.01 2154.1,356.92 2154.1,335.9 J5.2@2165,325
SCL: R30.1 TP4.1 U1.2 U2.7 | length 1875.9
  Top Layer w6: TP4.1@330,1890 480,1890 768.28,1601.72 898.28,1601.72 950,1550 1298.5,1550 1307,1541.5 ; U2.7@1015.22,1824.9 1015.22,1800.78 1053.02,1762.98 1120.02,1762.98 1307,1576 1307,1541.5 ; U1.2@1419.59,1297.06 1418.59,1298.06 R30.1@1418.59,1408 1417.78,1408.81 1417.78,1430.22 1405,1443 1371,1443 1307,1507 1307,1541.5
SDA: R29.1 TP3.1 U1.1 U2.8 | length 2190.5
  Top Layer w6: TP3.1@330,1993.33 416.67,1993.33 780,1630 910,1630 970,1570 1216.99,1570 1226.99,1580 v4(1230,1580) ; U2.8@1030.97,1824.9 1030.97,1802.03 1058,1775 1125,1775 1378,1522 1420,1522 1437.42,1504.58 1437.42,1499.76 R29.1@1448.2,1488.98 ; U1.1@1448.14,1297.06 R29.1@1448.14,1486.96 ; v4(1480,1560) 1480,1518.82 1462.91,1501.73 1460.94,1501.73 R29.1@1448.2,1488.98 ; R29.1@1448.14,1486.96 1448.14,1488.93 R29.1@1448.2,1488.98 ; R29.1@1448.14,1486.96 R29.1@1449.18,1488 R29.1@1448.2,1488.98
  Mid-Layer 2 w6: v4(1230,1580) 1280,1580 1300,1560 v4(1480,1560)
SWDCLK: J4.4 U2.25 | length 1068
  Top Layer w6: U2.25@1093.96,2057.18 1093.96,2084.96 1119,2110 1652,2110 v1(1692,2070)
  Bottom Layer w6: v1(1692,2070) 1752.95,2130.95 1752.95,2186.02 1783.46,2216.54 1948.46,2216.54 J4.4@1995,2170
SWDIO: J4.2 U2.26 | length 1028.3
  Top Layer w6: U2.26@1078.21,2057.18 1078.21,2094.21 1110,2126 1761,2126 v1(1807,2172)
  Bottom Layer w6: v1(1807,2172) 1893,2172 J4.2@1995,2070
SWO: J4.6 U2.21 | length 991.5
  Top Layer w6: U2.21@1123.49,1980.41 1705.41,1980.41 J4.6@1995,2270
TXO: J5.3 TP1.1 U2.38 | length 3306.2
  Top Layer w6: TP1.1@330,2200 530,2200 720,2010 v1(786,2010) 787.91,2011.91 U2.38@891.2,2011.91 ; v1(1991,474) 2040,425 J5.3@2165,425
  Bottom Layer w6: v1(786,2010) 656.02,2010 614.01,1967.99 614.01,1494.01 653.01,1455.01 1020.01,1455.01 1994,481.02 1994,477 v1(1991,474)
VIN: C10.2 C12.2 J3.3 SW1.1 U3.2 U3.3 U4.2 U4.3 | length 3731.6
  Top Layer w20: SW1.1@286.5,1528.35 542.65,1528.35 630,1441 630,1169 706,1093 706,996.72 717.72,985 854,985 892,1023 892,1048.13 903.72,1059.85 905.44,1059.85 923,1077.41 C12.2@923,1103 ; 910,1017 918,1009 918,1004 949,973 1335,973 ; C10.2@1680,320 1680,228 1626,174 1487,174 1422,239 1422,886 1335,973 ; J3.3@2095,1305 2046,1256 1637,1256 1556,1175 1556,1068 1520,1032 1394,1032 1335,973
pads on no net: J4.7 J4.8 J5.1 J5.5 U2.4 U2.5 U2.9 U2.11 U2.19 U2.22 U2.23 U2.27 U2.28 U2.29 U2.41 U2.42 U2.43 U2.44
copper on no net: | length 7.1
  Top Layer w8: 1495,550 1500,555

## Polygon pours and split planes (outlines as drawn)
GND on Top Layer "GND_L01_P060" (solid, pour order 60): 2340,2750 2340,20 20,20 20,2750
IP- on Top Layer "IP-" (solid, pour order 50): 676,485 250,485 223,458 223,366 245,344 361,344 427,410 676,410
IP+ on Top Layer "IP+" (solid, pour order 44): 676,584 677,583 677,509 498,509 480,527 480,735 562,735 562,585 676,585
VIN on Top Layer "Top Layer-VIN 1" (solid, pour order 36): 946,1220 947,1219 947,1160 953,1154 953,974 948,969 836,969 836,994 841,999 850,999 879,1028 879,1065 895,1081 895,1165 918,1188 918,1220
VIN on Top Layer "Top Layer-VIN" (solid, pour order 18): 1672,445 1672,404 1647,379 1645,379 1645,261 1720,261 1720,380 1718,380 1718,398 1708,408 1708,445
5V on Top Layer "Top Layer-5V" (solid, pour order 24): 1600,543 1569,574 1564,574 1564,687 1559,692 1488,692 1484,688 1484,498 1493,489 1597,489 1600,492
VIN on Top Layer "Top Layer-VIN 2" (solid, pour order 40): 1645,261 1645,192 1649,188 1649,185 1677,185 1720,228 1720,261
VIN on Top Layer "Top Layer-VIN 3" (solid, pour order 38): 948,1043 948,969 952,965 1343,965 1422,886 1501,965 1501,1043
NetL1_1 on Top Layer "IND_5V" (solid, pour order 30): 1675,529 1685,529 1685,561 1692,568 1692,681 1649,681 1648,680 1648,565 1668,545 1675,545
NetL2_1 on Top Layer "IND_3v3" (solid, pour order 28): 918,1300 928,1300 928,1332 935,1339 935,1452 892,1452 891,1451 891,1336 911,1316 918,1316
3V3 on Top Layer "Top Layer-3V3" (solid, pour order 26): 844,1314 813,1345 808,1345 808,1458 803,1463 732,1463 728,1459 728,1269 737,1260 841,1260 844,1263
GND on Mid-Layer 1 "GND_L02_P068" (solid, pour order 68): 20,2750 2340,2750 2340,20 20,20
3V3 on Mid-Layer 2 "3v3 plane" (solid, pour order 70): 20,2750 2340,2750 2340,20 20,20
GND on Bottom Layer "GND_L04_P072" (solid, pour order 72): 20,2750 2340,2750 2340,20 20,20

## Other copper
Top Layer:
  region net GND: 2421,-36
Bottom Layer:
  text "v1" at 790,160 h200

## Silkscreen, mask and mechanical layers (free items; w line width, h text height)
Top Overlay:
  text "TX" at 450,2190 h30
  text "RX" at 450,2086.67 h30
  text "SDA" at 450,1983.33 h30
  text "SCL" at 450,1880 h30
Bottom Overlay:
  drawing of 8 lines, arcs and shapes, not listed
  text "DESIGNED BY" at 1380.63,450.47 h98.43
Mechanical 1:
  lines w7.87: 0,0 0,3044 509.72,3044 1612.09,3044 2362.2,3044 2362.2,0 1771.65,0 1417.32,0 944.88,0 905.51,0 708.66,0 590.55,0 0,0

## Text inside footprints (layer, text, board x,y; h text height)
J5: Top Overlay "1" at 2244,226 h40 r270; Top Overlay "6" at 2245,747 h40 r270